# KiCad board poly_kb_molecule_16x5.kicad_pcb (continued)
## Routing (per net, layer and track width the routed paths; a pad name or vN(x,y) marks a point on that pad's centre or on a via; arc(x,y) is an arc through that point) (continued)
  Top w1.5: J4#65.1 J3#63.1 ; J4#32.1 J3#37.1 ; J4#26.1 J3#32.1 ; J4#60.1 J3#15.1 ; J4#62.1 J3#16.1 ; J4#38.1 J3#5.1 ; J4#13.1 J3#44.1 ; J4#59.1 J3#13.1 ; J4#35.1 J3#14.1 ; J4#9.1 J3#39.1 ; J4#6.1 J3#80.1 ; J4#22.1 J3#67.1 ; J4#23.1 J3#69.1 ; J4#15.1 J3#54.1 ; J4#41.1 J3#18.1 ; J4#78.1 J3#26.1 ; J4#70.1 J3#28.1 ; J4#71.1 J3#33.1 ; J4#33.1 J3#7.1 ; J4#73.1 J3#52.1 ; J4#11.1 J3#27.1 ; J4#28.1 J3#3.1 ; J4#30.1 J3#73.1 ; J4#12.1 J3#66.1 ; J4#42.1 J3#21.1 ; J4#3.1 J3#36.1 ; J4#10.1 J3#49.1 ; J4#39.1 J3#60.1 ; J4#50.1 J3#47.1 ; J4#45.1 J3#51.1 ; J4#49.1 J3#70.1 ; J4#27.1 J3#62.1 ; J4#21.1 J3#6.1 ; J4#4.1 J3#19.1 ; J4#48.1 J3#79.1 ; J4.1 J3#40.1 ; J4#79.1 J3#77.1 ; J4#63.1 J3#55.1 ; J3#64.1 J4#61.1 ; J4#16.1 J3#2.1 ; J3#71.1 J4#77.1 ; J4#64.1 J3#4.1 ; J4#68.1 J3#35.1 ; J4#67.1 J3#58.1 ; J4#66.1 J3#61.1 ; J4#34.1 J3#65.1 ; J4#58.1 J3#23.1 ; J4#74.1 J3#48.1 ; J4#69.1 J3#38.1 ; J4#29.1 J3#59.1 ; J4#37.1 J3#75.1 ; J4#53.1 J3#45.1 ; J4#47.1 J3#42.1 ; J4#25.1 J3#17.1 ; J4#17.1 J3#50.1 ; J4#18.1 J3#34.1 ; J4#8.1 J3#46.1 ; J4#55.1 J3#68.1 ; J4#76.1 J3#78.1 ; J4#20.1 J3#41.1 ; J4#51.1 J3#10.1 ; J4#40.1 J3#9.1 ; J4#43.1 J3#53.1 ; J4#52.1 J3#22.1 ; J4#14.1 J3#43.1 ; J4#72.1 J3#30.1 ; J4#44.1 J3#25.1 ; J4#54.1 J3#72.1 ; J4#57.1 J3#74.1 ; J4#7.1 J3#24.1 ; J3#8.1 J4#36.1 ; J4#56.1 J3#12.1 ; J4#46.1 J3#76.1 ; J4#24.1 J3#56.1 ; J4#5.1 J3#11.1
/Keyboard/sheet605ED2EB/GND: length 3208.9
  Top w0.292: v1(48.6,12.8) 47.11,14.29 v1(44.3,14.29) 41.56,14.29 41.48,14.21 ; 60.53,14.21 60.61,14.29 v1(63.35,14.29) 66.16,14.29 v1(67.65,12.8) ; 117.68,90.41 117.76,90.49 v1(120.5,90.49) 123.31,90.49 v1(124.8,89) ; v1(162.9,12.8) 161.41,14.29 v1(158.6,14.29) 155.86,14.29 155.78,14.21 ; v1(181.95,89) 180.46,90.49 v1(177.65,90.49) 174.91,90.49 174.83,90.41 ; v1(181.95,31.85) 180.46,33.34 v1(177.65,33.34) 174.91,33.34 174.83,33.26 ; 3.38,90.41 3.46,90.49 v1(6.2,90.49) 9.01,90.49 v1(10.5,89) ; 41.48,71.36 41.56,71.44 v1(44.3,71.44) 47.11,71.44 v1(48.6,69.95) ; 3.38,71.36 3.46,71.44 v1(6.2,71.44) 9.01,71.44 v1(10.5,69.95) ; v1(296.25,89) 294.76,90.49 v1(291.95,90.49) 289.21,90.49 289.13,90.41 ; v1(277.2,69.95) 275.71,71.44 v1(272.9,71.44) 270.16,71.44 270.08,71.36 ; v1(67.65,89) 66.16,90.49 v1(63.35,90.49) 60.61,90.49 60.53,90.41 ; 270.08,52.31 270.16,52.39 v1(272.9,52.39) 275.71,52.39 v1(277.2,50.9) ; v1(277.2,12.8) 275.71,14.29 v1(272.9,14.29) 270.16,14.29 270.08,14.21 ; v1(10.5,12.8) 9.01,14.29 v1(6.2,14.29) 3.46,14.29 3.38,14.21 ; v1(220.05,12.8) 218.56,14.29 v1(215.75,14.29) 213.01,14.29 212.93,14.21 ; 270.08,90.41 270.16,90.49 v1(272.9,90.49) 275.71,90.49 v1(277.2,89) ; 79.58,14.21 79.66,14.29 v1(82.4,14.29) 85.21,14.29 v1(86.7,12.8) ; v1(162.9,89) 161.41,90.49 v1(158.6,90.49) 155.86,90.49 155.78,90.41 ; 193.88,14.21 193.96,14.29 v1(196.7,14.29) 199.51,14.29 v1(201,12.8) ; 289.13,52.31 289.21,52.39 v1(291.95,52.39) 294.76,52.39 v1(296.25,50.9) ; 289.13,14.21 289.21,14.29 v1(291.95,14.29) 294.76,14.29 v1(296.25,12.8) ; 41.48,52.31 41.56,52.39 v1(44.3,52.39) 47.11,52.39 v1(48.6,50.9) ; 251.03,14.21 251.11,14.29 v1(253.85,14.29) 256.66,14.29 v1(258.15,12.8) ; 155.78,71.36 155.86,71.44 v1(158.6,71.44) 161.41,71.44 v1(162.9,69.95) ; 117.68,33.26 117.76,33.34 v1(120.5,33.34) 123.31,33.34 v1(124.8,31.85) ; 231.98,14.21 232.06,14.29 v1(234.8,14.29) 237.61,14.29 v1(239.1,12.8) ; 41.48,33.26 41.56,33.34 v1(44.3,33.34) 47.11,33.34 v1(48.6,31.85) ; 231.98,71.36 232.06,71.44 v1(234.8,71.44) 237.61,71.44 v1(239.1,69.95) ; v1(258.15,69.95) 256.66,71.44 v1(253.85,71.44) 251.11,71.44 251.03,71.36 ; v1(105.75,12.8) 104.26,14.29 v1(101.45,14.29) 98.71,14.29 98.63,14.21 ; v1(105.75,89) 104.26,90.49 v1(101.45,90.49) 98.71,90.49 98.63,90.41 ; v1(105.75,69.95) 104.26,71.44 v1(101.45,71.44) 98.71,71.44 98.63,71.36 ; 251.03,52.31 251.11,52.39 v1(253.85,52.39) 256.66,52.39 v1(258.15,50.9) ; v1(220.05,69.95) 218.56,71.44 v1(215.75,71.44) 213.01,71.44 212.93,71.36 ; 136.73,14.21 136.81,14.29 v1(139.55,14.29) 142.36,14.29 v1(143.85,12.8) ; 289.13,71.36 289.21,71.44 v1(291.95,71.44) 294.76,71.44 v1(296.25,69.95) ; 60.53,33.26 60.61,33.34 v1(63.35,33.34) 66.16,33.34 v1(67.65,31.85) ; 212.93,90.41 213.01,90.49 v1(215.75,90.49) 218.56,90.49 v1(220.05,89) ; v1(181.95,69.95) 180.46,71.44 v1(177.65,71.44) 174.91,71.44 174.83,71.36 ; v1(86.7,89) 85.21,90.49 v1(82.4,90.49) 79.66,90.49 79.58,90.41 ; 98.63,33.26 98.71,33.34 v1(101.45,33.34) 104.26,33.34 v1(105.75,31.85) ; v1(277.2,31.85) 275.71,33.34 v1(272.9,33.34) 270.16,33.34 270.08,33.26 ; v1(181.95,50.9) 180.46,52.39 v1(177.65,52.39) 174.91,52.39 174.83,52.31 ; 193.88,52.31 193.96,52.39 v1(196.7,52.39) 199.51,52.39 v1(201,50.9) ; v1(201,69.95) 199.51,71.44 v1(196.7,71.44) 193.96,71.44 193.88,71.36 ; 212.93,33.26 213.01,33.34 v1(215.75,33.34) 218.56,33.34 v1(220.05,31.85) ; 79.58,52.31 79.66,52.39 v1(82.4,52.39) 85.21,52.39 v1(86.7,50.9) ; v1(143.85,69.95) 142.36,71.44 v1(139.55,71.44) 136.81,71.44 136.73,71.36 ; v1(67.65,50.9) 66.16,52.39 v1(63.35,52.39) 60.61,52.39 60.53,52.31 ; v1(201,89) 199.51,90.49 v1(196.7,90.49) 193.96,90.49 193.88,90.41 ; v1(239.1,50.9) 237.61,52.39 v1(234.8,52.39) 232.06,52.39 231.98,52.31 ; 117.68,52.31 117.76,52.39 v1(120.5,52.39) 123.31,52.39 v1(124.8,50.9) ; 136.73,33.26 136.81,33.34 v1(139.55,33.34) 142.36,33.34 v1(143.85,31.85) ; 231.98,90.41 232.06,90.49 v1(234.8,90.49) 237.61,90.49 v1(239.1,89) ; v1(258.15,31.85) 256.66,33.34 v1(253.85,33.34) 251.11,33.34 251.03,33.26 ; 155.78,33.26 155.86,33.34 v1(158.6,33.34) 161.41,33.34 v1(162.9,31.85) ; v1(48.6,89) 47.11,90.49 v1(44.3,90.49) 41.56,90.49 41.48,90.41 ; 22.43,90.41 22.51,90.49 v1(25.25,90.49) 28.06,90.49 v1(29.55,89) ; 98.63,52.31 98.71,52.39 v1(101.45,52.39) 104.26,52.39 v1(105.75,50.9) ; v1(29.55,31.85) 28.06,33.34 v1(25.25,33.34) 22.51,33.34 22.43,33.26 ; v1(143.85,50.9) 142.36,52.39 v1(139.55,52.39) 136.81,52.39 136.73,52.31 ; v1(29.55,12.8) 28.06,14.29 v1(25.25,14.29) 22.51,14.29 22.43,14.21 ; 174.83,14.21 174.91,14.29 v1(177.65,14.29) 180.46,14.29 v1(181.95,12.8) ; 117.68,14.21 117.76,14.29 v1(120.5,14.29) 123.31,14.29 v1(124.8,12.8) ; 3.38,52.31 3.46,52.39 v1(6.2,52.39) 9.01,52.39 v1(10.5,50.9) ; 251.03,90.41 251.11,90.49 v1(253.85,90.49) 256.66,90.49 v1(258.15,89) ; 155.78,52.31 155.86,52.39 v1(158.6,52.39) 161.41,52.39 v1(162.9,50.9) ; v1(143.85,89) 142.36,90.49 v1(139.55,90.49) 136.81,90.49 136.73,90.41 ; v1(86.7,31.85) 85.21,33.34 v1(82.4,33.34) 79.66,33.34 79.58,33.26 ; 289.13,33.26 289.21,33.34 v1(291.95,33.34) 294.76,33.34 v1(296.25,31.85) ; v1(201,31.85) 199.51,33.34 v1(196.7,33.34) 193.96,33.34 193.88,33.26 ; v1(10.5,31.85) 9.01,33.34 v1(6.2,33.34) 3.46,33.34 3.38,33.26 ; v1(239.1,31.85) 237.61,33.34 v1(234.8,33.34) 232.06,33.34 231.98,33.26 ; 22.43,71.36 22.51,71.44 v1(25.25,71.44) 28.06,71.44 v1(29.55,69.95) ; 212.93,52.31 213.01,52.39 v1(215.75,52.39) 218.56,52.39 v1(220.05,50.9) ; 79.58,71.36 79.66,71.44 v1(82.4,71.44) 85.21,71.44 v1(86.7,69.95) ; 117.68,71.36 117.76,71.44 v1(120.5,71.44) 123.31,71.44 v1(124.8,69.95) ; v1(67.65,69.95) 66.16,71.44 v1(63.35,71.44) 60.61,71.44 60.53,71.36 ; 22.43,52.31 22.51,52.39 v1(25.25,52.39) 28.06,52.39 v1(29.55,50.9)
  Top w0.5: v2(111.55,16.25) 111.35,16.05 105.63,16.05 104.54,17.15 v1(104.14,17.15) 101.46,17.15 v1(101.39,17.08) 100.69,16.38 99.55,16.38 ; 194.8,73.53 195.94,73.53 v1(196.64,74.23) 196.71,74.3 v1(199.39,74.3) 199.79,74.3 200.88,73.2 206.6,73.2 v2(206.8,73.4) ; 4.3,16.38 5.44,16.38 v1(6.14,17.08) 6.21,17.15 v1(8.89,17.15) 9.29,17.15 10.38,16.05 16.1,16.05 v2(16.3,16.25) ; v2(54.4,73.4) 54.2,73.2 48.48,73.2 47.39,74.3 v1(46.99,74.3) 44.31,74.3 v1(44.24,74.23) 43.54,73.53 42.4,73.53 ; 175.75,16.38 176.89,16.38 v1(177.59,17.08) 177.66,17.15 v1(180.34,17.15) 180.74,17.15 181.83,16.05 187.55,16.05 v2(187.75,16.25) ; 80.5,92.58 81.64,92.58 v1(82.34,93.28) 82.41,93.34 v1(85.09,93.34) 85.49,93.34 86.58,92.25 92.3,92.25 v2(92.5,92.45) ; v2(263.95,92.45) 263.75,92.25 258.03,92.25 256.94,93.34 v1(256.54,93.34) 253.86,93.34 v1(253.79,93.28) 253.09,92.58 251.95,92.58 ; v2(263.95,73.4) 263.75,73.2 258.03,73.2 256.94,74.3 v1(256.54,74.3) 253.86,74.3 v1(253.79,74.23) 253.09,73.53 251.95,73.53 ; 99.55,73.53 100.69,73.53 v1(101.39,74.23) 101.46,74.3 v1(104.14,74.3) 104.54,74.3 105.63,73.2 111.35,73.2 v2(111.55,73.4) ; v2(206.8,92.45) 206.6,92.25 200.88,92.25 199.79,93.34 v1(199.39,93.34) 196.71,93.34 v1(196.64,93.28) 195.94,92.58 194.8,92.58 ; v2(225.85,54.35) 225.65,54.15 219.93,54.15 218.84,55.24 v1(218.44,55.24) 215.76,55.24 v1(215.69,55.18) 214.99,54.48 213.85,54.48 ; v2(168.7,35.3) 168.5,35.1 162.78,35.1 161.69,36.19 v1(161.29,36.19) 158.61,36.19 v1(158.54,36.13) 157.84,35.43 156.7,35.43 ; v2(16.3,54.35) 16.1,54.15 10.38,54.15 9.29,55.24 v1(8.89,55.24) 6.21,55.24 v1(6.14,55.18) 5.44,54.48 4.3,54.48 ; 175.75,35.43 176.89,35.43 v1(177.59,36.13) 177.66,36.19 v1(180.34,36.19) 180.74,36.19 181.83,35.1 187.55,35.1 v2(187.75,35.3) ; v2(263.95,35.3) 263.75,35.1 258.03,35.1 256.94,36.19 v1(256.54,36.19) 253.86,36.19 v1(253.79,36.13) 253.09,35.43 251.95,35.43 ; v2(92.5,35.3) 92.3,35.1 86.58,35.1 85.49,36.19 v1(85.09,36.19) 82.41,36.19 v1(82.34,36.13) 81.64,35.43 80.5,35.43 ; 271,92.58 272.14,92.58 v1(272.84,93.28) 272.91,93.34 v1(275.59,93.34) 275.99,93.34 277.08,92.25 282.8,92.25 v2(283,92.45) ; 194.8,16.38 195.94,16.38 v1(196.64,17.08) 196.71,17.15 v1(199.39,17.15) 199.79,17.15 200.88,16.05 206.6,16.05 v2(206.8,16.25) ; v2(35.35,35.3) 35.15,35.1 29.43,35.1 28.34,36.19 v1(27.94,36.19) 25.26,36.19 v1(25.19,36.13) 24.49,35.43 23.35,35.43 ; 23.35,54.48 24.49,54.48 v1(25.19,55.18) 25.26,55.24 v1(27.94,55.24) 28.34,55.24 29.43,54.15 35.15,54.15 v2(35.35,54.35) ; 290.05,35.43 291.19,35.43 v1(291.89,36.13) 291.96,36.19 v1(294.64,36.19) 295.04,36.19 296.13,35.1 301.85,35.1 v2(302.05,35.3) ; v2(187.75,73.4) 187.55,73.2 181.83,73.2 180.74,74.3 v1(180.34,74.3) 177.66,74.3 v1(177.59,74.23) 176.89,73.53 175.75,73.53 ; v2(130.6,73.4) 130.4,73.2 124.68,73.2 123.59,74.3 v1(123.19,74.3) 120.51,74.3 v1(120.44,74.23) 119.74,73.53 118.6,73.53 ; 213.85,16.38 214.99,16.38 v1(215.69,17.08) 215.76,17.15 v1(218.44,17.15) 218.84,17.15 219.93,16.05 225.65,16.05 v2(225.85,16.25) ; 118.6,92.58 119.74,92.58 v1(120.44,93.28) 120.51,93.34 v1(123.19,93.34) 123.59,93.34 124.68,92.25 130.4,92.25 v2(130.6,92.45) ; v2(130.6,54.35) 130.4,54.15 124.68,54.15 123.59,55.24 v1(123.19,55.24) 120.51,55.24 v1(120.44,55.18) 119.74,54.48 118.6,54.48 ; v2(149.65,35.3) 149.45,35.1 143.73,35.1 142.64,36.19 v1(142.24,36.19) 139.56,36.19 v1(139.49,36.13) 138.79,35.43 137.65,35.43 ; 251.95,54.48 253.09,54.48 v1(253.79,55.18) 253.86,55.24 v1(256.54,55.24) 256.94,55.24 258.03,54.15 263.75,54.15 v2(263.95,54.35) ; v2(92.5,54.35) 92.3,54.15 86.58,54.15 85.49,55.24 v1(85.09,55.24) 82.41,55.24 v1(82.34,55.18) 81.64,54.48 80.5,54.48 ; v2(111.55,54.35) 111.35,54.15 105.63,54.15 104.54,55.24 v1(104.14,55.24) 101.46,55.24 v1(101.39,55.18) 100.69,54.48 99.55,54.48 ; 232.9,54.48 234.04,54.48 v1(234.74,55.18) 234.81,55.24 v1(237.49,55.24) 237.89,55.24 238.98,54.15 244.7,54.15 v2(244.9,54.35) ; v2(225.85,92.45) 225.65,92.25 219.93,92.25 218.84,93.34 v1(218.44,93.34) 215.76,93.34 v1(215.69,93.28) 214.99,92.58 213.85,92.58 ; v2(73.45,35.3) 73.25,35.1 67.53,35.1 66.44,36.19 v1(66.04,36.19) 63.36,36.19 v1(63.29,36.13) 62.59,35.43 61.45,35.43 ; 232.9,35.43 234.04,35.43 v1(234.74,36.13) 234.81,36.19 v1(237.49,36.19) 237.89,36.19 238.98,35.1 244.7,35.1 v2(244.9,35.3) ; 156.7,73.53 157.84,73.53 v1(158.54,74.23) 158.61,74.3 v1(161.29,74.3) 161.69,74.3 162.78,73.2 168.5,73.2 v2(168.7,73.4) ; 194.8,54.48 195.94,54.48 v1(196.64,55.18) 196.71,55.24 v1(199.39,55.24) 199.79,55.24 200.88,54.15 206.6,54.15 v2(206.8,54.35) ; v2(73.45,54.35) 73.25,54.15 67.53,54.15 66.44,55.24 v1(66.04,55.24) 63.36,55.24 v1(63.29,55.18) 62.59,54.48 61.45,54.48 ; v2(168.7,92.45) 168.5,92.25 162.78,92.25 161.69,93.34 v1(161.29,93.34) 158.61,93.34 v1(158.54,93.28) 157.84,92.58 156.7,92.58 ; v2(35.35,73.4) 35.15,73.2 29.43,73.2 28.34,74.3 v1(27.94,74.3) 25.26,74.3 v1(25.19,74.23) 24.49,73.53 23.35,73.53 ; v2(283,73.4) 282.8,73.2 277.08,73.2 275.99,74.3 v1(275.59,74.3) 272.91,74.3 v1(272.84,74.23) 272.14,73.53 271,73.53 ; v2(244.9,92.45) 244.7,92.25 238.98,92.25 237.89,93.34 v1(237.49,93.34) 234.81,93.34 v1(234.74,93.28) 234.04,92.58 232.9,92.58 ; v2(16.3,35.3) 16.1,35.1 10.38,35.1 9.29,36.19 v1(8.89,36.19) 6.21,36.19 v1(6.14,36.13) 5.44,35.43 4.3,35.43 ; v2(92.5,16.25) 92.3,16.05 86.58,16.05 85.49,17.15 v1(85.09,17.15) 82.41,17.15 v1(82.34,17.08) 81.64,16.38 80.5,16.38 ; v2(302.05,92.45) 301.85,92.25 296.13,92.25 295.04,93.34 v1(294.64,93.34) 291.96,93.34 v1(291.89,93.28) 291.19,92.58 290.05,92.58 ; v2(35.35,16.25) 35.15,16.05 29.43,16.05 28.34,17.15 v1(27.94,17.15) 25.26,17.15 v1(25.19,17.08) 24.49,16.38 23.35,16.38 ; v2(149.65,92.45) 149.45,92.25 143.73,92.25 142.64,93.34 v1(142.24,93.34) 139.56,93.34 v1(139.49,93.28) 138.79,92.58 137.65,92.58 ; v2(73.45,73.4) 73.25,73.2 67.53,73.2 66.44,74.3 v1(66.04,74.3) 63.36,74.3 v1(63.29,74.23) 62.59,73.53 61.45,73.53 ; 271,35.43 272.14,35.43 v1(272.84,36.13) 272.91,36.19 v1(275.59,36.19) 275.99,36.19 277.08,35.1 282.8,35.1 v2(283,35.3) ; v2(54.4,54.35) 54.2,54.15 48.48,54.15 47.39,55.24 v1(46.99,55.24) 44.31,55.24 v1(44.24,55.18) 43.54,54.48 42.4,54.48 ; v2(54.4,35.3) 54.2,35.1 48.48,35.1 47.39,36.19 v1(46.99,36.19) 44.31,36.19 v1(44.24,36.13) 43.54,35.43 42.4,35.43 ; v2(244.9,16.25) 244.7,16.05 238.98,16.05 237.89,17.15 v1(237.49,17.15) 234.81,17.15 v1(234.74,17.08) 234.04,16.38 232.9,16.38 ; 194.8,35.43 195.94,35.43 v1(196.64,36.13) 196.71,36.19 v1(199.39,36.19) 199.79,36.19 200.88,35.1 206.6,35.1 v2(206.8,35.3) ; v2(302.05,16.25) 301.85,16.05 296.13,16.05 295.04,17.15 v1(294.64,17.15) 291.96,17.15 v1(291.89,17.08) 291.19,16.38 290.05,16.38 ; 4.3,73.53 5.44,73.53 v1(6.14,74.23) 6.21,74.3 v1(8.89,74.3) 9.29,74.3 10.38,73.2 16.1,73.2 v2(16.3,73.4) ; v2(73.45,92.45) 73.25,92.25 67.53,92.25 66.44,93.34 v1(66.04,93.34) 63.36,93.34 v1(63.29,93.28) 62.59,92.58 61.45,92.58 ; v2(73.45,16.25) 73.25,16.05 67.53,16.05 66.44,17.15 v1(66.04,17.15) 63.36,17.15 v1(63.29,17.08) 62.59,16.38 61.45,16.38 ; v2(54.4,16.25) 54.2,16.05 48.48,16.05 47.39,17.15 v1(46.99,17.15) 44.31,17.15 v1(44.24,17.08) 43.54,16.38 42.4,16.38 ; 42.4,92.58 43.54,92.58 v1(44.24,93.28) 44.31,93.34 v1(46.99,93.34) 47.39,93.34 48.48,92.25 54.2,92.25 v2(54.4,92.45) ; v2(283,16.25) 282.8,16.05 277.08,16.05 275.99,17.15 v1(275.59,17.15) 272.91,17.15 v1(272.84,17.08) 272.14,16.38 271,16.38 ; 271,54.48 272.14,54.48 v1(272.84,55.18) 272.91,55.24 v1(275.59,55.24) 275.99,55.24 277.08,54.15 282.8,54.15 v2(283,54.35) ; v2(130.6,16.25) 130.4,16.05 124.68,16.05 123.59,17.15 v1(123.19,17.15) 120.51,17.15 v1(120.44,17.08) 119.74,16.38 118.6,16.38 ; v2(149.65,16.25) 149.45,16.05 143.73,16.05 142.64,17.15 v1(142.24,17.15) 139.56,17.15 v1(139.49,17.08) 138.79,16.38 137.65,16.38 ; 137.65,54.48 138.79,54.48 v1(139.49,55.18) 139.56,55.24 v1(142.24,55.24) 142.64,55.24 143.73,54.15 149.45,54.15 v2(149.65,54.35) ; 137.65,73.53 138.79,73.53 v1(139.49,74.23) 139.56,74.3 v1(142.24,74.3) 142.64,74.3 143.73,73.2 149.45,73.2 v2(149.65,73.4) ; v2(302.05,73.4) 301.85,73.2 296.13,73.2 295.04,74.3 v1(294.64,74.3) 291.96,74.3 v1(291.89,74.23) 291.19,73.53 290.05,73.53 ; v2(225.85,35.3) 225.65,35.1 219.93,35.1 218.84,36.19 v1(218.44,36.19) 215.76,36.19 v1(215.69,36.13) 214.99,35.43 213.85,35.43 ; 99.55,35.43 100.69,35.43 v1(101.39,36.13) 101.46,36.19 v1(104.14,36.19) 104.54,36.19 105.63,35.1 111.35,35.1 v2(111.55,35.3) ; v2(187.75,54.35) 187.55,54.15 181.83,54.15 180.74,55.24 v1(180.34,55.24) 177.66,55.24 v1(177.59,55.18) 176.89,54.48 175.75,54.48 ; v2(302.05,54.35) 301.85,54.15 296.13,54.15 295.04,55.24 v1(294.64,55.24) 291.96,55.24 v1(291.89,55.18) 291.19,54.48 290.05,54.48 ; 156.7,54.48 157.84,54.48 v1(158.54,55.18) 158.61,55.24 v1(161.29,55.24) 161.69,55.24 162.78,54.15 168.5,54.15 v2(168.7,54.35) ; v2(111.55,92.45) 111.35,92.25 105.63,92.25 104.54,93.34 v1(104.14,93.34) 101.46,93.34 v1(101.39,93.28) 100.69,92.58 99.55,92.58 ; 232.9,73.53 234.04,73.53 v1(234.74,74.23) 234.81,74.3 v1(237.49,74.3) 237.89,74.3 238.98,73.2 244.7,73.2 v2(244.9,73.4) ; 156.7,16.38 157.84,16.38 v1(158.54,17.08) 158.61,17.15 v1(161.29,17.15) 161.69,17.15 162.78,16.05 168.5,16.05 v2(168.7,16.25) ; v2(130.6,35.3) 130.4,35.1 124.68,35.1 123.59,36.19 v1(123.19,36.19) 120.51,36.19 v1(120.44,36.13) 119.74,35.43 118.6,35.43 ; 251.95,16.38 253.09,16.38 v1(253.79,17.08) 253.86,17.15 v1(256.54,17.15) 256.94,17.15 258.03,16.05 263.75,16.05 v2(263.95,16.25) ; v2(92.5,73.4) 92.3,73.2 86.58,73.2 85.49,74.3 v1(85.09,74.3) 82.41,74.3 v1(82.34,74.23) 81.64,73.53 80.5,73.53 ; 23.35,92.58 24.49,92.58 v1(25.19,93.28) 25.26,93.34 v1(27.94,93.34) 28.34,93.34 29.43,92.25 35.15,92.25 v2(35.35,92.45) ; 4.3,92.58 5.44,92.58 v1(6.14,93.28) 6.21,93.34 v1(8.89,93.34) 9.29,93.34 10.38,92.25 16.1,92.25 v2(16.3,92.45) ; 213.85,73.53 214.99,73.53 v1(215.69,74.23) 215.76,74.3 v1(218.44,74.3) 218.84,74.3 219.93,73.2 225.65,73.2 v2(225.85,73.4) ; v2(187.75,92.45) 187.55,92.25 181.83,92.25 180.74,93.34 v1(180.34,93.34) 177.66,93.34 v1(177.59,93.28) 176.89,92.58 175.75,92.58
  Bottom w0.292: 62.36,90.56 62.57,90.56 62.92,90.92 ; 6.98,11.68 6.25,12.42 6.25,14.24 v1(6.2,14.29) ; 140.34,49.78 139.6,50.52 139.6,52.34 v1(139.55,52.39) ; J1#78.3 273.48,52.83 273.04,52.39 v1(272.9,52.39) ; 253.43,14.72 253.07,14.36 252.86,14.36 ; 253.43,14.72 253.85,14.29 v1(253.85,14.29) ; 253.43,14.72 J1#46.1 ; v1(25.25,14.29) 25.3,14.24 25.3,12.42 26.03,11.68 ; v1(25.25,14.29) 25.25,14.29 24.82,14.72 ; v1(25.25,14.29) 25.39,14.29 25.82,14.72 J1#20.3 ; 81.41,33.41 81.62,33.41 81.97,33.77 ; v1(234.8,52.39) 234.8,52.39 234.38,52.82 ; v1(234.8,52.39) 234.85,52.34 234.85,50.52 235.58,49.78 ; v1(234.8,52.39) 234.94,52.39 235.38,52.83 J1#48.3 ; v2(156.5,73.4) 156.45,73.35 156.45,72.8 155.9,72.25 155.9,71.48 155.78,71.36 ; J1#3.1 24.82,33.77 ; 24.82,33.77 24.47,33.41 24.26,33.41 ; 24.82,33.77 25.25,33.34 v1(25.25,33.34) ; v2(23.15,73.4) 23.1,73.35 23.1,72.8 22.55,72.25 22.55,71.48 22.43,71.36 ; v1(25.25,90.49) 25.3,90.44 25.3,88.62 26.03,87.88 ; v1(25.25,90.49) 25.39,90.49 25.82,90.92 J1#47.3 ; v1(25.25,90.49) 25.25,90.49 24.82,90.92 ; 289.13,90.41 289.25,90.53 289.25,91.3 289.8,91.85 289.8,92.4 v2(289.85,92.45) ; 289.13,71.36 289.25,71.48 289.25,72.25 289.8,72.8 289.8,73.35 v2(289.85,73.4) ; J1#15.1 139.12,52.82 ; 139.12,52.82 138.77,52.46 138.56,52.46 ; 139.12,52.82 139.55,52.39 v1(139.55,52.39) ; J1#27.1 158.18,52.82 ; 158.18,52.82 158.6,52.39 v1(158.6,52.39) ; 158.18,52.82 157.82,52.46 157.61,52.46 ; v2(23.15,35.3) 23.1,35.25 23.1,34.7 22.55,34.15 22.55,33.38 22.43,33.26 ; J1#54.3 254.43,90.92 253.99,90.49 v1(253.85,90.49) ; J1#6.1 120.07,33.77 ; 120.07,33.77 120.5,33.34 v1(120.5,33.34) ; 120.07,33.77 119.72,33.41 119.51,33.41 ; J1#42.1 177.22,14.72 ; 177.22,14.72 176.87,14.36 176.66,14.36 ; 177.22,14.72 177.65,14.29 v1(177.65,14.29) ; 234.38,90.92 234.8,90.49 v1(234.8,90.49) ; 234.38,90.92 234.02,90.56 233.81,90.56 ; 234.38,90.92 J1#61.1 ; 64.14,49.78 63.4,50.52 63.4,52.34 v1(63.35,52.39) ; 81.41,52.46 81.62,52.46 81.97,52.82 ; J1#38.3 82.97,52.83 82.54,52.39 v1(82.4,52.39) ; J1#40.3 216.32,52.83 215.89,52.39 v1(215.75,52.39) ; v2(175.55,54.35) 175.5,54.3 175.5,53.75 174.95,53.2 174.95,52.43 174.83,52.31 ; v2(99.35,54.35) 99.3,54.3 99.3,53.75 98.75,53.2 98.75,52.43 98.63,52.31 ; 6.98,87.88 6.25,88.62 6.25,90.44 v1(6.2,90.49) ; v1(253.85,14.29) 253.99,14.29 254.43,14.72 J1#46.3 ; v1(253.85,14.29) 253.9,14.24 253.9,12.42 254.63,11.68 ; J1#59.3 102.03,14.72 101.59,14.29 v1(101.45,14.29) ; 215.32,33.77 215.75,33.34 v1(215.75,33.34) ; 215.32,33.77 214.97,33.41 214.76,33.41 ; 215.32,33.77 J1#50.1 ; 24.82,71.87 24.47,71.51 24.26,71.51 ; 24.82,71.87 25.25,71.44 v1(25.25,71.44) ; 24.82,71.87 J1#58.1 ; J1#33.1 101.03,71.87 ; 101.03,71.87 100.67,71.51 100.46,71.51 ; 101.03,71.87 101.45,71.44 v1(101.45,71.44) ; 121.28,49.78 120.55,50.52 120.55,52.34 v1(120.5,52.39) ; v1(139.55,33.34) 139.55,33.34 139.12,33.77 ; v1(139.55,33.34) 139.6,33.29 139.6,31.47 140.34,30.73 ; v1(139.55,33.34) 139.69,33.34 140.12,33.77 J1#56.3 ; J1#72.1 215.32,71.87 ; 215.32,71.87 214.97,71.51 214.76,71.51 ; 215.32,71.87 215.75,71.44 v1(215.75,71.44) ; v1(44.3,14.29) 44.35,14.24 44.35,12.42 45.08,11.68 ; v1(44.3,14.29) 44.44,14.29 44.88,14.72 J1#55.3 ; v1(44.3,14.29) 44.3,14.29 43.88,14.72 ; v2(270.8,54.35) 270.75,54.3 270.75,53.75 270.2,53.2 270.2,52.43 270.08,52.31 ; 117.68,90.41 117.8,90.53 117.8,91.3 118.35,91.85 118.35,92.4 v2(118.4,92.45) ; 102.23,49.78 101.5,50.52 101.5,52.34 v1(101.45,52.39) ; 120.07,71.87 120.5,71.44 v1(120.5,71.44) ; 120.07,71.87 J1#37.1 ; 120.07,71.87 119.72,71.51 119.51,71.51 ; J1#19.1 177.22,33.77 ; 177.22,33.77 177.65,33.34 v1(177.65,33.34) ; 177.22,33.77 176.87,33.41 176.66,33.41 ; 270.08,90.41 270.2,90.53 270.2,91.3 270.75,91.85 270.75,92.4 v2(270.8,92.45) ; J1#65.3 63.92,71.88 63.49,71.44 v1(63.35,71.44) ; 98.63,71.36 98.75,71.48 98.75,72.25 99.3,72.8 99.3,73.35 v2(99.35,73.4) ; v1(63.35,33.34) 63.4,33.29 63.4,31.47 64.14,30.73 ; v1(63.35,33.34) 63.35,33.34 62.92,33.77 ; v1(63.35,33.34) 63.49,33.34 63.92,33.77 J1#4.3 ; v1(158.6,71.44) 158.65,71.39 158.65,69.57 159.38,68.83 ; v1(158.6,71.44) 158.6,71.44 158.18,71.87 ; v1(158.6,71.44) 158.74,71.44 159.18,71.88 J1#30.3 ; 292.74,87.88 292,88.62 292,90.44 v1(291.95,90.49) ; 5.77,33.77 6.2,33.34 v1(6.2,33.34) ; 5.77,33.77 J1#7.1 ; 5.77,33.77 5.42,33.41 5.21,33.41 ; v1(139.55,14.29) 139.55,14.29 139.12,14.72 ; v1(139.55,14.29) 139.69,14.29 140.12,14.72 J1#23.3 ; v1(139.55,14.29) 139.6,14.24 139.6,12.42 140.34,11.68 ; 43.88,71.87 44.3,71.44 v1(44.3,71.44) ; 43.88,71.87 43.52,71.51 43.31,71.51 ; 43.88,71.87 J1#5.1 ; J1#39.3 235.38,71.88 234.94,71.44 v1(234.8,71.44) ; v2(80.3,73.4) 80.25,73.35 80.25,72.8 79.7,72.25 79.7,71.48 79.58,71.36 ; 136.73,52.31 136.85,52.43 136.85,53.2 137.4,53.75 137.4,54.3 v2(137.45,54.35) ; 22.43,90.41 22.55,90.53 22.55,91.3 23.1,91.85 23.1,92.4 v2(23.15,92.45) ; 158.18,14.72 157.82,14.36 157.61,14.36 ; 158.18,14.72 J1#68.1 ; 158.18,14.72 158.6,14.29 v1(158.6,14.29) ; v1(120.5,71.44) 120.64,71.44 121.07,71.88 J1#37.3 ; v1(120.5,71.44) 120.55,71.39 120.55,69.57 121.28,68.83 ; 193.88,71.36 194,71.48 194,72.25 194.55,72.8 194.55,73.35 v2(194.6,73.4) ; v1(215.75,71.44) 215.8,71.39 215.8,69.57 216.53,68.83 ; v1(215.75,71.44) 215.89,71.44 216.32,71.88 J1#72.3 ; 83.19,49.78 82.45,50.52 82.45,52.34 v1(82.4,52.39) ; 158.18,33.77 158.6,33.34 v1(158.6,33.34) ; 158.18,33.77 J1#16.1 ; 158.18,33.77 157.82,33.41 157.61,33.41 ; 81.41,90.56 81.62,90.56 81.97,90.92 ; v1(44.3,33.34) 44.44,33.34 44.88,33.77 J1#69.3 ; v1(44.3,33.34) 44.35,33.29 44.35,31.47 45.08,30.73 ; v1(44.3,33.34) 44.3,33.34 43.88,33.77 ; 235.58,30.73 234.85,31.47 234.85,33.29 v1(234.8,33.34) ; 157.61,90.56 157.82,90.56 158.18,90.92 ; J1#35.1 62.92,90.92 ; 62.92,90.92 63.35,90.49 v1(63.35,90.49) ; v1(234.8,71.44) 234.8,71.44 234.38,71.87 ; v1(234.8,71.44) 234.85,71.39 234.85,69.57 235.58,68.83 ; J1#70.3 63.92,52.83 63.49,52.39 v1(63.35,52.39) ; 195.71,33.41 195.92,33.41 196.28,33.77 ; v1(215.75,33.34) 215.89,33.34 216.32,33.77 J1#50.3 ; v1(215.75,33.34) 215.8,33.29 215.8,31.47 216.53,30.73 ; 24.82,52.82 24.47,52.46 24.26,52.46 ; 24.82,52.82 25.25,52.39 v1(25.25,52.39) ; 24.82,52.82 J1#43.1 ; 136.73,90.41 136.85,90.53 136.85,91.3 137.4,91.85 137.4,92.4 v2(137.45,92.45) ; J1#34.1 272.48,71.87 ; 272.48,71.87 272.9,71.44 v1(272.9,71.44) ; 272.48,71.87 272.12,71.51 271.91,71.51 ; J1#9.3 254.43,71.88 253.99,71.44 v1(253.85,71.44) ; v2(251.75,54.35) 251.7,54.3 251.7,53.75 251.15,53.2 251.15,52.43 251.03,52.31 ; J1#18.1 177.22,90.92 ; 177.22,90.92 177.65,90.49 v1(177.65,90.49) ; 177.22,90.92 176.87,90.56 176.66,90.56 ; v1(196.7,33.34) 196.84,33.34 197.28,33.77 J1#26.3 ; v1(196.7,33.34) 196.75,33.29 196.75,31.47 197.48,30.73 ; v1(196.7,33.34) 196.7,33.34 196.28,33.77 ; 100.46,14.36 100.67,14.36 101.03,14.72 ; 43.31,52.46 43.52,52.46 43.88,52.82 ; v1(158.6,90.49) 158.65,90.44 158.65,88.62 159.38,87.88 ; v1(158.6,90.49) 158.6,90.49 158.18,90.92 ; v1(158.6,90.49) 158.74,90.49 159.18,90.92 J1#25.3 ; v1(177.65,33.34) 177.79,33.34 178.22,33.77 J1#19.3 ; v1(177.65,33.34) 177.7,33.29 177.7,31.47 178.44,30.73 ; v1(120.5,52.39) 120.64,52.39 121.07,52.83 J1#36.3 ; v1(120.5,52.39) 120.5,52.39 120.07,52.82 ; 79.58,33.26 79.7,33.38 79.7,34.15 80.25,34.7 80.25,35.25 v2(80.3,35.3) ; J1#57.3 63.92,14.72 63.49,14.29 v1(63.35,14.29) ; v1(82.4,71.44) 82.54,71.44 82.97,71.88 J1#71.3 ; v1(82.4,71.44) 82.4,71.44 81.97,71.87 ; v1(82.4,71.44) 82.45,71.39 82.45,69.57 83.19,68.83 ; v1(177.65,14.29) 177.7,14.24 177.7,12.42 178.44,11.68 ; v1(177.65,14.29) 177.79,14.29 178.22,14.72 J1#42.3 ; v1(120.5,90.49) 120.64,90.49 121.07,90.92 J1#53.3 ; v1(120.5,90.49) 120.55,90.44 120.55,88.62 121.28,87.88 ; v1(120.5,90.49) 120.5,90.49 120.07,90.92 ; 273.69,87.88 272.95,88.62 272.95,90.44 v1(272.9,90.49) ; 212.93,71.36 213.05,71.48 213.05,72.25 213.6,72.8 213.6,73.35 v2(213.65,73.4) ; v1(158.6,14.29) 158.74,14.29 159.18,14.72 J1#68.3 ; v1(158.6,14.29) 158.65,14.24 158.65,12.42 159.38,11.68 ; 101.03,33.77 100.67,33.41 100.46,33.41 ; 101.03,33.77 J1#80.1 ; 101.03,33.77 101.45,33.34 v1(101.45,33.34) ; 62.92,71.87 62.57,71.51 62.36,71.51 ; 62.92,71.87 J1#65.1 ; 62.92,71.87 63.35,71.44 v1(63.35,71.44) ; v1(234.8,33.34) 234.8,33.34 234.38,33.77 ; v1(234.8,33.34) 234.94,33.34 235.38,33.77 J1#60.3 ; 121.28,30.73 120.55,31.47 120.55,33.29 v1(120.5,33.34) ; 253.43,33.77 253.07,33.41 252.86,33.41 ; 253.43,33.77 253.85,33.34 v1(253.85,33.34) ; 253.43,33.77 J1#32.1 ; J1#32.3 254.43,33.77 253.99,33.34 v1(253.85,33.34) ; 136.73,71.36 136.85,71.48 136.85,72.25 137.4,72.8 137.4,73.35 v2(137.45,73.4) ; 5.21,14.36 5.42,14.36 5.77,14.72 ; 196.28,90.92 196.7,90.49 v1(196.7,90.49) ; 196.28,90.92 195.92,90.56 195.71,90.56 ; 196.28,90.92 J1#31.1 ; v1(25.25,33.34) 25.3,33.29 25.3,31.47 26.03,30.73 ; v1(25.25,33.34) 25.39,33.34 25.82,33.77 J1#3.3 ; v1(177.65,71.44) 177.7,71.39 177.7,69.57 178.44,68.83 ; v1(177.65,71.44) 177.79,71.44 178.22,71.88 J1#62.3 ; v1(177.65,71.44) 177.65,71.44 177.22,71.87 ; v2(270.8,35.3) 270.75,35.25 270.75,34.7 270.2,34.15 270.2,33.38 270.08,33.26 ; 291.52,71.87 291.17,71.51 290.96,71.51 ; 291.52,71.87 J1#52.1 ; 291.52,71.87 291.95,71.44 v1(291.95,71.44) ; v1(291.95,71.44) 292.09,71.44 292.52,71.88 J1#52.3 ; v1(291.95,71.44) 292,71.39 292,69.57 292.74,68.83 ; 45.08,68.83 44.35,69.57 44.35,71.39 v1(44.3,71.44) ; v1(63.35,90.49) 63.4,90.44 63.4,88.62 64.14,87.88 ; v1(63.35,90.49) 63.49,90.49 63.92,90.92 J1#35.3 ; v1(215.75,14.29) 215.89,14.29 216.32,14.72 J1#21.3 ; v1(215.75,14.29) 215.8,14.24 215.8,12.42 216.53,11.68 ; v1(215.75,14.29) 215.75,14.29 215.32,14.72 ; 24.82,14.72 24.47,14.36 24.26,14.36 ; 24.82,14.72 J1#20.1 ; v1(177.65,90.49) 177.7,90.44 177.7,88.62 178.44,87.88 ; v1(177.65,90.49) 177.79,90.49 178.22,90.92 J1#18.3 ; v1(44.3,90.49) 44.3,90.49 43.88,90.92 ; v1(44.3,90.49) 44.44,90.49 44.88,90.92 J1#13.3 ; v1(44.3,90.49) 44.35,90.44 44.35,88.62 45.08,87.88 ; 215.32,90.92 215.75,90.49 v1(215.75,90.49) ; 215.32,90.92 J1#75.1 ; 215.32,90.92 214.97,90.56 214.76,90.56 ; 81.97,33.77 82.4,33.34 v1(82.4,33.34) ; 81.97,33.77 J1#74.1 ; 254.63,68.83 253.9,69.57 253.9,71.39 v1(253.85,71.44) ; v2(99.35,35.3) 99.3,35.25 99.3,34.7 98.75,34.15 98.75,33.38 98.63,33.26 ; v1(6.2,33.34) 6.34,33.34 6.77,33.77 J1#7.3 ; v1(6.2,33.34) 6.25,33.29 6.25,31.47 6.98,30.73 ; 138.56,33.41 138.77,33.41 139.12,33.77 ; v1(82.4,14.29) 82.4,14.29 81.97,14.72 ; v1(82.4,14.29) 82.45,14.24 82.45,12.42 83.19,11.68 ; v1(82.4,14.29) 82.54,14.29 82.97,14.72 J1#51.3 ; 157.61,71.51 157.82,71.51 158.18,71.87 ; 62.92,33.77 62.57,33.41 62.36,33.41 ; 62.92,33.77 J1#4.1 ; v1(6.2,52.39) 6.34,52.39 6.77,52.83 J1#12.3 ; v1(6.2,52.39) 6.2,52.39 5.77,52.82 ; v1(6.2,52.39) 6.25,52.34 6.25,50.52 6.98,49.78 ; v2(137.45,35.3) 137.4,35.25 137.4,34.7 136.85,34.15 136.85,33.38 136.73,33.26 ; J1#55.1 43.88,14.72 ; 43.88,14.72 43.52,14.36 43.31,14.36 ; J1#26.1 196.28,33.77 ; 5.77,14.72 6.2,14.29 v1(6.2,14.29) ; 5.77,14.72 J1#41.1 ; J1#66.1 253.43,52.82 ; 253.43,52.82 253.07,52.46 252.86,52.46 ; 253.43,52.82 253.85,52.39 v1(253.85,52.39) ; 43.88,90.92 43.52,90.56 43.31,90.56 ; 43.88,90.92 J1#13.1 ; 271.91,52.46 272.12,52.46 272.48,52.82 ; 41.48,14.21 41.6,14.33 41.6,15.1 42.15,15.65 42.15,16.2 v2(42.2,16.25) ; 24.26,90.56 24.47,90.56 24.82,90.92 ; 79.58,14.21 79.7,14.33 79.7,15.1 80.25,15.65 80.25,16.2 v2(80.3,16.25) ; v1(291.95,90.49) 291.95,90.49 291.52,90.92 ; v1(291.95,90.49) 292.09,90.49 292.52,90.92 J1#79.3 ; v1(139.55,52.39) 139.69,52.39 140.12,52.83 J1#15.3 ; J1#36.1 120.07,52.82 ; 120.07,52.82 119.72,52.46 119.51,52.46 ; v1(101.45,14.29) 101.45,14.29 101.03,14.72 ; v1(101.45,14.29) 101.5,14.24 101.5,12.42 102.23,11.68 ; 272.48,90.92 272.9,90.49 v1(272.9,90.49) ; 272.48,90.92 272.12,90.56 271.91,90.56 ; 272.48,90.92 J1#29.1 ; v2(80.3,54.35) 80.25,54.3 80.25,53.75 79.7,53.2 79.7,52.43 79.58,52.31 ; J1#22.1 81.97,90.92 ; 81.97,90.92 82.4,90.49 v1(82.4,90.49) ; J1#27.3 159.18,52.83 158.74,52.39 v1(158.6,52.39) ; 81.97,71.87 81.62,71.51 81.41,71.51 ; 81.97,71.87 J1#71.1 ; v2(213.65,16.25) 213.6,16.2 213.6,15.65 213.05,15.1 213.05,14.33 212.93,14.21 ; 102.23,68.83 101.5,69.57 101.5,71.39 v1(101.45,71.44) ; 140.34,68.83 139.6,69.57 139.6,71.39 v1(139.55,71.44) ; v1(272.9,52.39) 272.95,52.34 272.95,50.52 273.69,49.78 ; v1(272.9,52.39) 272.9,52.39 272.48,52.82 ; 251.03,14.21 251.15,14.33 251.15,15.1 251.7,15.65 251.7,16.2 v2(251.75,16.25) ; v1(291.95,33.34) 292,33.29 292,31.47 292.74,30.73 ; v1(291.95,33.34) 291.95,33.34 291.52,33.77 ; v1(291.95,33.34) 292.09,33.34 292.52,33.77 J1#49.3 ; 138.56,90.56 138.77,90.56 139.12,90.92 ; v1(101.45,90.49) 101.5,90.44 101.5,88.62 102.23,87.88 ; v1(101.45,90.49) 101.59,90.49 102.03,90.92 J1#76.3 ; v1(101.45,90.49) 101.45,90.49 101.03,90.92 ; v2(42.2,92.45) 42.15,92.4 42.15,91.85 41.6,91.3 41.6,90.53 41.48,90.41 ; J1#57.1 62.92,14.72 ; 62.92,14.72 62.57,14.36 62.36,14.36 ; 62.92,14.72 63.35,14.29 v1(63.35,14.29) ; 5.77,71.87 6.2,71.44 v1(6.2,71.44) ; 5.77,71.87 5.42,71.51 5.21,71.51 ; 5.77,71.87 J1#77.1 ; 291.52,33.77 291.17,33.41 290.96,33.41 ; 291.52,33.77 J1#49.1 ; 41.48,33.26 41.6,33.38 41.6,34.15 42.15,34.7 42.15,35.25 v2(42.2,35.3) ; 159.38,30.73 158.65,31.47 158.65,33.29 v1(158.6,33.34) ; 60.53,14.21 60.65,14.33 60.65,15.1 61.2,15.65 61.2,16.2 v2(61.25,16.25) ; v2(194.6,92.45) 194.55,92.4 194.55,91.85 194,91.3 194,90.53 193.88,90.41 ; 215.32,52.82 214.97,52.46 214.76,52.46 ; 215.32,52.82 215.75,52.39 v1(215.75,52.39) ; 215.32,52.82 J1#40.1 ; 81.97,14.72 J1#51.1 ; 81.97,14.72 81.62,14.36 81.41,14.36 ; v1(215.75,52.39) 215.8,52.34 215.8,50.52 216.53,49.78 ; 290.96,52.46 291.17,52.46 291.52,52.82 ; v2(232.7,16.25) 232.65,16.2 232.65,15.65 232.1,15.1 232.1,14.33 231.98,14.21 ; v1(82.4,33.34) 82.45,33.29 82.45,31.47 83.19,30.73 ; v1(82.4,33.34) 82.54,33.34 82.97,33.77 J1#74.3 ; J1#75.3 216.32,90.92 215.89,90.49 v1(215.75,90.49) ; v1(272.9,33.34) 272.9,33.34 272.48,33.77 ; v1(272.9,33.34) 273.04,33.34 273.48,33.77 J1#2.3 ; v1(272.9,33.34) 272.95,33.29 272.95,31.47 273.69,30.73 ; v2(137.45,16.25) 137.4,16.2 137.4,15.65 136.85,15.1 136.85,14.33 136.73,14.21 ; 158.18,71.87 J1#30.1 ; 252.86,90.56 253.07,90.56 253.43,90.92 ; J1#67.3 178.22,52.83 177.79,52.39 v1(177.65,52.39) ; 3.38,52.31 3.5,52.43 3.5,53.2 4.05,53.75 4.05,54.3 v2(4.1,54.35) ; 195.71,14.36 195.92,14.36 196.28,14.72 ; 252.86,71.51 253.07,71.51 253.43,71.87 ; 3.38,71.36 3.5,71.48 3.5,72.25 4.05,72.8 4.05,73.35 v2(4.1,73.4) ; v1(139.55,71.44) 139.55,71.44 139.12,71.87 ; v1(139.55,71.44) 139.69,71.44 140.12,71.88 J1#28.3 ; v1(196.7,52.39) 196.84,52.39 197.28,52.83 J1#64.3 ; v1(196.7,52.39) 196.7,52.39 196.28,52.82 ; v1(196.7,52.39) 196.75,52.34 196.75,50.52 197.48,49.78 ; 234.38,52.82 234.02,52.46 233.81,52.46 ; 234.38,52.82 J1#48.1 ; 41.48,71.36 41.6,71.48 41.6,72.25 42.15,72.8 42.15,73.35 v2(42.2,73.4) ; 253.43,90.92 253.85,90.49 v1(253.85,90.49) ; 253.43,90.92 J1#54.1 ; v1(82.4,90.49) 82.45,90.44 82.45,88.62 83.19,87.88 ; v1(82.4,90.49) 82.54,90.49 82.97,90.92 J1#22.3 ; v1(6.2,14.29) 6.34,14.29 6.77,14.72 J1#41.3 ; v2(251.75,73.4) 251.7,73.35 251.7,72.8 251.15,72.25 251.15,71.48 251.03,71.36 ; v1(253.85,90.49) 253.9,90.44 253.9,88.62 254.63,87.88 ; v2(118.4,73.4) 118.35,73.35 118.35,72.8 117.8,72.25 117.8,71.48 117.68,71.36 ; 120.07,90.92 119.72,90.56 119.51,90.56 ; 120.07,90.92 J1#53.1 ; v1(253.85,52.39) 253.9,52.34 253.9,50.52 254.63,49.78 ; v1(253.85,52.39) 253.99,52.39 254.43,52.83 J1#66.3 ; J1#8.1 101.03,52.82 ; 101.03,52.82 101.45,52.39 v1(101.45,52.39) ; 101.03,52.82 100.67,52.46 100.46,52.46 ; J1#78.1 272.48,52.82 ; v1(272.9,14.29) 272.95,14.24 272.95,12.42 273.69,11.68 ; v1(272.9,14.29) 273.04,14.29 273.48,14.72 J1#24.3 ; v1(272.9,14.29) 272.9,14.29 272.48,14.72 ; v1(25.25,71.44) 25.39,71.44 25.82,71.88 J1#58.3 ; v1(25.25,71.44) 25.3,71.39 25.3,69.57 26.03,68.83 ; v1(272.9,71.44) 272.95,71.39 272.95,69.57 273.69,68.83 ; v1(272.9,71.44) 273.04,71.44 273.48,71.88 J1#34.3 ; 176.66,71.51 176.87,71.51 177.22,71.87 ; 139.12,33.77 J1#56.1 ; 26.03,49.78 25.3,50.52 25.3,52.34 v1(25.25,52.39) ; 5.77,90.92 5.42,90.56 5.21,90.56 ; 5.77,90.92 J1.1 ; 5.77,90.92 6.2,90.49 v1(6.2,90.49) ; J1#63.3 140.12,90.92 139.69,90.49 v1(139.55,90.49) ; v2(175.55,92.45) 175.5,92.4 175.5,91.85 174.95,91.3 174.95,90.53 174.83,90.41 ; 272.48,14.72 272.12,14.36 271.91,14.36 ; 272.48,14.72 J1#24.1 ; v1(253.85,33.34) 253.9,33.29 253.9,31.47 254.63,30.73 ; v2(118.4,35.3) 118.35,35.25 118.35,34.7 117.8,34.15 117.8,33.38 117.68,33.26 ; v2(23.15,16.25) 23.1,16.2 23.1,15.65 22.55,15.1 22.55,14.33 22.43,14.21 ; J1#39.1 234.38,71.87 ; 234.38,71.87 234.02,71.51 233.81,71.51 ; v2(4.1,92.45) 4.05,92.4 4.05,91.85 3.5,91.3 3.5,90.53 3.38,90.41 ; J1#17.3 44.88,52.83 44.44,52.39 v1(44.3,52.39) ; v1(63.35,71.44) 63.4,71.39 63.4,69.57 64.14,68.83 ; 176.66,52.46 176.87,52.46 177.22,52.82 ; v2(61.25,73.4) 61.2,73.35 61.2,72.8 60.65,72.25 60.65,71.48 60.53,71.36 ; v1(291.95,14.29) 291.95,14.29 291.52,14.72 ; v1(291.95,14.29) 292,14.24 292,12.42 292.74,11.68 ; v1(291.95,14.29) 292.09,14.29 292.52,14.72 J1#44.3 ; 234.38,14.72 234.02,14.36 233.81,14.36 ; 234.38,14.72 J1#73.1 ; 234.38,14.72 234.8,14.29 v1(234.8,14.29) ; v2(156.5,16.25) 156.45,16.2 156.45,15.65 155.9,15.1 155.9,14.33 155.78,14.21 ; 289.13,14.21 289.25,14.33 289.25,15.1 289.8,15.65 289.8,16.2 v2(289.85,16.25) ; 43.88,52.82 J1#17.1 ; 43.88,52.82 44.3,52.39 v1(44.3,52.39) ; 212.93,52.31 213.05,52.43 213.05,53.2 213.6,53.75 213.6,54.3 v2(213.65,54.35) ; 291.52,52.82 291.95,52.39 v1(291.95,52.39) ; 291.52,52.82 J1#45.1 ; v2(232.7,54.35) 232.65,54.3 232.65,53.75 232.1,53.2 232.1,52.43 231.98,52.31 ; v1(25.25,52.39) 25.39,52.39 25.82,52.83 J1#43.3 ; 174.83,71.36 174.95,71.48 174.95,72.25 175.5,72.8 175.5,73.35 v2(175.55,73.4) ; v2(156.5,92.45) 156.45,92.4 156.45,91.85 155.9,91.3 155.9,90.53 155.78,90.41 ; J1#14.1 196.28,71.87 ; 196.28,71.87 195.92,71.51 195.71,71.51 ; 196.28,71.87 196.7,71.44 v1(196.7,71.44) ; 120.07,14.72 119.72,14.36 119.51,14.36 ; 120.07,14.72 120.5,14.29 v1(120.5,14.29) ; 120.07,14.72 J1#11.1 ; J1#6.3 121.07,33.77 120.64,33.34 v1(120.5,33.34) ; v1(234.8,90.49) 234.94,90.49 235.38,90.92 J1#61.3 ; v1(234.8,90.49) 234.85,90.44 234.85,88.62 235.58,87.88 ; v2(4.1,16.25) 4.05,16.2 4.05,15.65 3.5,15.1 3.5,14.33 3.38,14.21 ; J1#63.1 139.12,90.92 ; 139.12,90.92 139.55,90.49 v1(139.55,90.49) ; v2(232.7,35.3) 232.65,35.25 232.65,34.7 232.1,34.15 232.1,33.38 231.98,33.26 ; J1#62.1 177.22,71.87 ; v1(44.3,52.39) 44.35,52.34 44.35,50.52 45.08,49.78 ; v1(63.35,52.39) 63.35,52.39 62.92,52.82 ; v1(272.9,90.49) 273.04,90.49 273.48,90.92 J1#29.3 ; v1(63.35,14.29) 63.4,14.24 63.4,12.42 64.14,11.68 ; 178.44,49.78 177.7,50.52 177.7,52.34 v1(177.65,52.39) ; J1#77.3 6.77,71.88 6.34,71.44 v1(6.2,71.44) ; v1(291.95,52.39) 292.09,52.39 292.52,52.83 J1#45.3 ; v1(291.95,52.39) 292,52.34 292,50.52 292.74,49.78 ; J1#59.1 101.03,14.72 ; 155.78,52.31 155.9,52.43 155.9,53.2 156.45,53.75 156.45,54.3 v2(156.5,54.35) ; J1#38.1 81.97,52.82 ; 81.97,52.82 82.4,52.39 v1(82.4,52.39) ; 214.76,14.36 214.97,14.36 215.32,14.72 ; J1#70.1 62.92,52.82 ; 62.92,52.82 62.57,52.46 62.36,52.46 ; 193.88,14.21 194,14.33 194,15.1 194.55,15.65 194.55,16.2 v2(194.6,16.25) ; J1#9.1 253.43,71.87 ; 253.43,71.87 253.85,71.44 v1(253.85,71.44) ; v1(139.55,90.49) 139.6,90.44 139.6,88.62 140.34,87.88 ; v1(158.6,52.39) 158.65,52.34 158.65,50.52 159.38,49.78 ; 174.83,14.21 174.95,14.33 174.95,15.1 175.5,15.65 175.5,16.2 v2(175.55,16.25) ; 196.28,52.82 195.92,52.46 195.71,52.46 ; 196.28,52.82 J1#64.1 ; v2(61.25,92.45) 61.2,92.4 61.2,91.85 60.65,91.3 60.65,90.53 60.53,90.41 ; 158.18,90.92 J1#25.1 ; v2(251.75,35.3) 251.7,35.25 251.7,34.7 251.15,34.15 251.15,33.38 251.03,33.26 ; v1(196.7,90.49) 196.75,90.44 196.75,88.62 197.48,87.88 ; v1(196.7,90.49) 196.84,90.49 197.28,90.92 J1#31.3 ; v1(101.45,52.39) 101.59,52.39 102.03,52.83 J1#8.3 ; 291.52,14.72 291.17,14.36 290.96,14.36 ; 291.52,14.72 J1#44.1 ; v1(120.5,14.29) 120.55,14.24 120.55,12.42 121.28,11.68 ; v1(120.5,14.29) 120.64,14.29 121.07,14.72 J1#11.3 ; 251.03,90.41 251.15,90.53 251.15,91.3 251.7,91.85 251.7,92.4 v2(251.75,92.45) ; J1#79.1 291.52,90.92 ; 291.52,90.92 291.17,90.56 290.96,90.56 